# Altium PCB MB1428.PcbDoc (part 5 of 7)
Units mm, origin at the board's own origin, x right, y up, seen from the top; angles counter-clockwise.
Board outline 55.88 x 152.4 mm, 4 copper layers (Top Layer, Signal Layer 1, Signal Layer 2, Bottom Layer), stack 1.614 mm thick; 396 components, 227 nets, 1346 pads, 1469 vias.
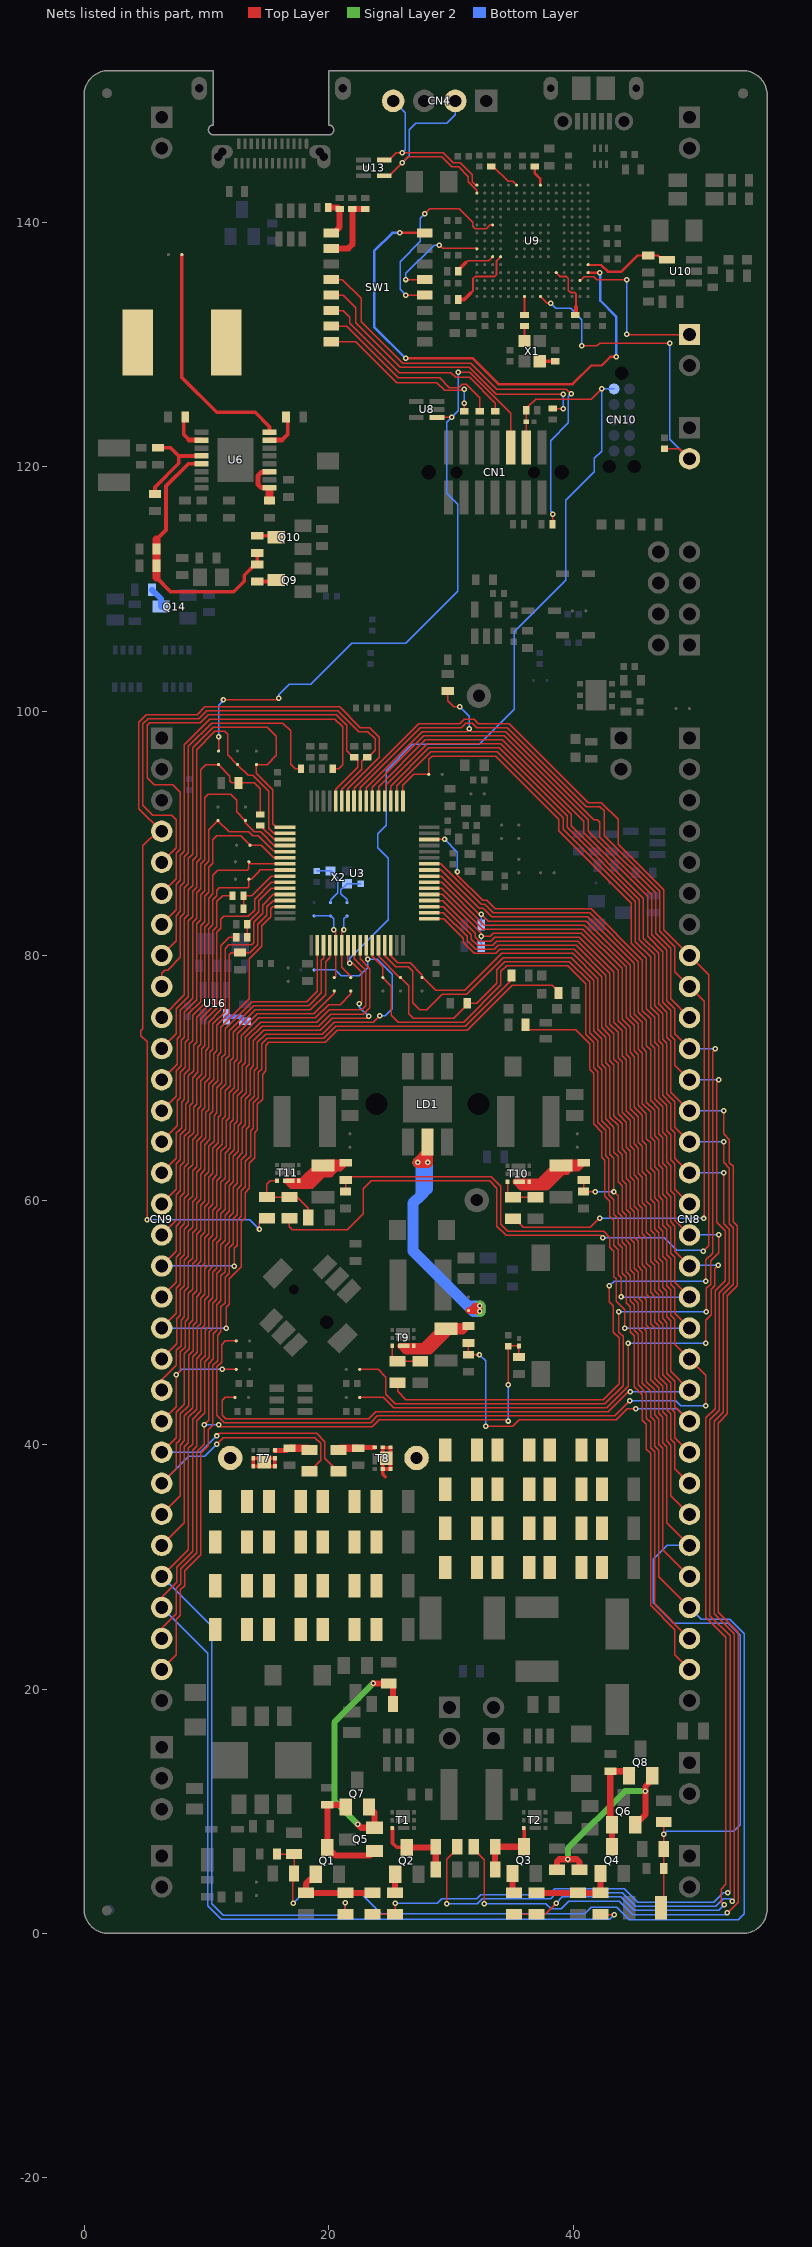
[diagram p7: the nets of this part, all layers, seen from the top]

## Via types
v1: diameter 0.45, hole 0.2, Top Layer to Bottom Layer, tented both sides, 1460 vias
v2: diameter 0.6, hole 0.2, Top Layer to Bottom Layer, tented both sides, 9 vias

## Nets (pads, with @x,y where several pads share a name; then routed paths per layer and width w, separated by ;. In a path a pad name is that pad's centre, name@x,y a point inside that pad or via, vN(x,y) a via of type N, cw(c..) or ccw(c..) an arc to the next point about the centre after c; other vN are vias at no path point) (continued)
NetQ1_1: Q1.1 R1.2 R2.2 R3.2 | length 7.3
  Top Layer w0.5: Q1.1@18.95,4.85 18.15,4.05 R1.2@18.15,3.325 R2.2@21.375,3.325 R3.2@23.6,3.325
NetQ1_3: Q1.3 Q5.1 Q7.1 R23.1 | length 9.3
  Top Layer w0.5: Q7.1@21.4,10.35 21.225,10.525 R23.1@19.9,10.525 Q1.3@19.9,7.05 20.575,6.375 23.375,6.375 Q5.1@23.75,6.75
NetQ2_1: Q2.1 R4.2 | length 1.5
  Top Layer w0.5: R4.2@25.45,3.325 Q2.1@25.45,4.85
NetQ2_3: Q2.3 R12.2 R19.2 T1.3 | length 6.8
  Top Layer w0.3: T1.3@25.238,8.625 25.238,7.387 25.575,7.05 Q2.3@26.4,7.05
  Top Layer w0.5: Q2.3@26.4,7.05 28.725,7.05 R19.2@28.775,7.1 R12.2@28.775,5.25
NetQ3_1: Q3.1 R5.1 | length 1.6
  Top Layer w0.5: Q3.1@35.05,4.9 35.05,3.45 R5.1@35.175,3.325
NetQ3_3: Q3.3 R13.2 R20.1 T2.3 | length 5.7
  Top Layer w0.3: Q3.3@36,7.1 T2.3@36,8.625
  Top Layer w0.5: R13.2@33.625,5.25 R20.1@33.625,7.1 Q3.3@36,7.1
NetQ4_1: Q4.1 R6.1 R7.2 R8.1 | length 6.8
  Top Layer w0.5: R6.1@37.025,3.325 R7.2@40.4,3.325 R8.1@42.25,3.325 Q4.1@42.25,4.9
NetQ4_3: Q4.3 Q6.1 Q8.1 R26.1 | length 7.9
  Top Layer w0.5: Q4.3@43.2,7.1 Q6.1@43.2,8.9 43.05,9.05 43.05,13.25 R26.1@43.075,13.275 44.2,13.275 Q8.1@44.575,12.9
NetQ5_2: Q5.2 Q7.2 R27.1 R28.1 | length 20.1
  Top Layer w0.5: v1(22.4,8.925) 22.675,8.65 Q5.2@23.75,8.65 23.75,9.9 Q7.2@23.3,10.35 ; v1(23.675,20.475) 23.7,20.45 R28.1@24.925,20.45 25.275,20.1 R27.1@25.275,18.775
  Signal Layer 2 w0.5: v1(22.4,8.925) 20.475,10.85 20.475,17.275 v1(23.675,20.475)
NetQ6_2: Q6.2 Q8.2 R14.2 R15.2 | length 17.1
  Top Layer w0.5: R14.2@38.675,5.2 38.675,5.875 38.875,6.075 v1(39.588,6.075) 40.3,6.075 40.525,5.85 R15.2@40.525,5.2 ; Q6.2@45.1,8.9 45.925,9.725 v1(45.925,11.65) 45.925,12.025 46.475,12.575 Q8.2@46.475,12.9
  Signal Layer 2 w0.5: v1(39.588,6.075) 39.588,6.962 44.275,11.65 v1(45.925,11.65)
NetQ9_3: Q9.3 R99.1 | length 1.6
  Top Layer w0.3: R99.1@14.175,110.6 15.6,110.6 Q9.3@15.725,110.725
NetQ10_3: Q10.3 R102.1 | length 1.6
  Top Layer w0.3: R102.1@14.175,114.35 15.6,114.35 Q10.3@15.725,114.225
NetQ14_3: Q14.3 R142.1 | length 1.7
  Bottom Layer w0.5: R142.1@5.55,109.925 6.3,109.175 Q14.3@6.3,108.55
NetR29_1: R29.1 R33.1 R41.1 R49.1 T7.1 T7.2 T7.5 T7.6 T7.8 TP1.1 | length 4.8
  Top Layer w0.3: T7.6@13.85,38.225 15.6,38.225 15.6,38.875 T7.5@13.85,38.875 T7.6@13.85,38.225
NetR29_2: R29.2 R30.1 R33.2 R34.1 R41.2 R42.1 R49.2 R50.1
NetR30_2: R30.2 R31.1 R34.2 R35.1 R42.2 R43.1 R50.2 R51.1
NetR31_2: R31.2 R32.1 R35.2 R36.1 R43.2 R44.1 R51.2 R52.1
NetR37_1: R37.1 R45.1 R53.1 R61.1 T8.1 T8.2 T8.5 T8.6 T8.8 TP2.1 | length 5.5
  Top Layer w0.3: 24.65,37.375 24.425,37.6 T8.5@24.425,38 ; T8.5@24.425,38 24.425,39.75 25.075,39.75 T8.6@25.075,38 T8.5@24.425,38
NetR37_2: R37.2 R38.1 R45.2 R46.1 R53.2 R54.1 R61.2 R62.1
NetR38_2: R38.2 R39.1 R46.2 R47.1 R54.2 R55.1 R62.2 R63.1
NetR39_2: R39.2 R40.1 R47.2 R48.1 R55.2 R56.1 R63.2 R64.1
NetR57_2: R57.2 R59.2 T7.3 | length 3
  Top Layer w0.4: T7.3@15.6,39.525 16.625,39.525 R59.2@16.8,39.7
  Top Layer w0.6: R59.2@16.8,39.7 18.3,39.7 R57.2@18.45,39.55
NetR58_2: R58.2 R60.2 T8.3 | length 3.1
  Top Layer w0.4: R60.2@22.425,39.7 22.475,39.75 T8.3@23.775,39.75
  Top Layer w0.6: R58.2@20.8,39.55 20.95,39.7 R60.2@22.425,39.7
NetR65_2: R65.2 R66.2 T9.3 | length 3.3
  Top Layer w0.12: T9.3@25.225,48.075 25.225,47.225 R65.2@25.65,46.8 R66.2@27.5,46.8
NetR68_2: R68.2 R69.1 T9.4 T9.7 | length 16.4
  Top Layer w0.5: 27.9,47.6 28.298,47.6 29.825,49.127 R68.2@29.825,49.26 ; 27.9,47.6 29.6,49.3 R68.2@29.6,49.475 ; 27.9,47.6 26.325,47.6 25.85,48.075 T9.7@26.15,48.075 T9.4@26.975,48.075 27.75,48.075 29.15,49.475 R68.2@29.6,49.475 ; R68.2@29.6,49.475 29.815,49.26 R68.2@29.825,49.26 ; R68.2@29.6,49.475 R68.2@29.825,49.7 ; R68.2@29.825,49.26 R68.2@29.825,49.7 ; R68.2@29.825,49.26 31.01,49.26 R69.1@31.45,49.7 R68.2@29.825,49.7
NetR71_2: R71.2 R74.2 R75.2 T11.3 | length 6.5
  Top Layer w0.12: T11.3@15.813,61.575 15.25,61.575 14.95,61.275 R74.2@14.95,60.25 R75.2@16.8,60.25 17.425,60.25 18.35,59.325 R71.2@18.35,58.575
NetR72_2: R72.2 R73.2 T10.3 | length 3.3
  Top Layer w0.12: T10.3@34.67,61.5 34.67,60.65 R72.2@35.095,60.225 R73.2@36.945,60.225
NetR76_2: R76.2 R78.1 T10.4 T10.7 | length 17
  Top Layer w0.5: R76.2@39.23,62.67 R76.2@39.175,62.67 ; R76.2@39.245,62.375 R76.2@39.245,62.6 ; R76.2@39.3,62.6 40.42,62.6 R78.1@40.87,63.05 39.245,63.05 R76.2@39.02,62.825 ; 37.375,61.025 37.847,61.025 39.02,62.198 ; 37.375,61.025 R76.2@39.02,62.67 ; 37.375,61.025 35.775,61.025 35.3,61.5 T10.7@35.595,61.5 T10.4@36.42,61.5 37.225,61.5 38.55,62.825 R76.2@39.02,62.825 ; 39.02,62.198 R76.2@39.02,62.67 ; 39.02,62.198 39.142,62.32 39.525,62.32 R76.2@39.245,62.6 ; R76.2@39.02,62.67 R76.2@39.175,62.67 ; R76.2@39.02,62.67 R76.2@39.02,62.825 ; R76.2@39.02,62.825 R76.2@39.175,62.67 ; R76.2@39.175,62.67 R76.2@39.245,62.6
NetR77_2: R77.2 R79.1 T11.4 T11.7 | length 15.3
  Top Layer w0.5: 18.025,61.175 18.625,61.175 19.55,62.1 ; 18.025,61.175 R77.2@19.55,62.7 ; 18.025,61.175 16.962,61.175 16.562,61.575 T11.7@16.738,61.575 T11.4@17.562,61.575 17.825,61.575 19.075,62.825 R77.2@19.55,62.825 ; 19.55,62.1 R77.2@19.55,62.7 ; 19.55,62.1 20.15,62.1 20.65,62.6 ; R77.2@19.55,62.7 R77.2@19.55,62.825 ; R77.2@19.55,62.825 19.775,62.6 20.65,62.6 ; R77.2@19.55,62.825 19.775,63.05 R79.1@21.4,63.05 20.95,62.6 20.65,62.6
NetR84_1: R84.1 R85.1 U3.59 | length 6
  Top Layer w0.12: R84.1@13.35,81.5 R85.1@13.35,82.55 13.35,82.658 14.279,83.587 14.279,84.484 15.299,85.504 U3.59@16.439,85.504
NetR86_1: R86.1 R87.1 U3.57 | length 5.1
  Top Layer w0.12: R86.1@13.05,83.85 R87.1@13.05,84.9 13.725,84.9 15.329,86.504 U3.57@16.439,86.504
NetR88_2: R88.2 U3.51 | length 2.5
  Top Layer w0.12: R88.2@14.425,90.65 14.425,90.63 15.551,89.504 U3.51@16.439,89.504
NetR105_1: R105.1 SW1.4 | length 36.2
  Top Layer w0.12: SW1.4@20.16,135.31 SW1.4@20.24,135.31 21.14,135.31 22.685,133.765 22.685,131.84 26.055,128.47 31.635,128.47 33.755,126.35 39.455,126.35 v1(39.855,125.95) ; R105.1@38.325,115.282 38.355,115.312 v1(38.355,116.125)
  Bottom Layer w0.12: v1(38.355,116.125) 38.355,116.15 38.162,116.343 38.162,122.132 39.63,123.6 39.63,125.725 v1(39.855,125.95)
NetR111_1: R111.1 SW1.8 | length 14.4
  Top Layer w0.12: SW1.8@20.205,130.23 SW1.8@20.24,130.23 22.245,130.23 25.6,126.875 28.862,126.875 29.505,126.232 30.987,126.232 v1(31.105,126.35) ; R111.1@31.1,124.532 31.1,125.195 v1(31.105,125.2)
  Bottom Layer w0.12: v1(31.105,125.2) v1(31.105,126.35)
NetR112_1: R112.1 SW1.7 | length 16
  Top Layer w0.12: SW1.7@20.2,131.5 SW1.7@20.24,131.5 21.475,131.5 25.7,127.275 29.08,127.275 29.883,126.472 30.654,126.472 30.937,126.755 31.273,126.755 32.375,125.653 R112.1@32.375,124.532
NetR113_1: R113.1 SW1.6 | length 17.5
  Top Layer w0.12: SW1.6@20.195,132.77 SW1.6@20.24,132.77 21.205,132.77 21.75,132.225 21.75,131.75 25.8,127.7 30,127.7 30.396,127.304 31.546,127.304 33.65,125.2 R113.1@33.65,124.532
NetR114_1: R114.1 SW1.5 | length 25.1
  Top Layer w0.12: SW1.5@20.235,134.04 SW1.5@20.24,134.04 21.185,134.04 22.225,133 22.225,131.775 25.871,128.129 31.521,128.129 33.725,125.925 39.02,125.925 v1(39.205,125.924) ; R114.1@38.33,124.75 v1(39.205,124.75)
  Bottom Layer w0.12: v1(39.205,124.75) v1(39.205,125.924)
NetR116_2: R116.2 X1.1 | length 1.3
  Top Layer w0.3: X1.1@37.28,128.625 R116.2@38.53,128.625
NetR117_1: R117.1 X1.3 | length 1.2
  Top Layer w0.15: X1.3@36.03,130.275 R117.1@36.03,131.5
NetR118_2: R118.2 U9.L4 | length 4.7
  Top Layer w0.15: U9.L4@38.63,135.875 38.96,135.545 39.46,135.545 39.61,135.395 39.61,134.42 39.775,134.255 40.1,134.255 40.25,134.105 40.25,133.08
  Top Layer w0.3: R118.2@40.18,132.4 40.25,132.47 40.25,133.08
NetR120_2: R120.2 U9.D6 | length 6.1
  Top Layer w0.15: 31.63,134.2 31.81,134.38 31.81,135.358 32.002,135.55 33.558,135.55 33.75,135.742 33.75,136.845 U9.D6@34.08,137.175
  Top Layer w0.3: R120.2@30.605,133.675 31.105,133.675 31.63,134.2
NetR123_2: R123.2 U9.C6 | length 3.4
  Top Layer w0.15: 31.205,136.675 31.375,136.845 33.1,136.845 U9.C6@33.43,137.175
  Top Layer w0.3: R123.2@30.605,135.975 30.605,136.075 31.205,136.675
NetR124_2: R124.2 R125.2 SW1.1 | length 3.4
  Top Layer w0.5: R124.2@19.975,141.2 20.78,141.2 R125.2@20.905,141.075 20.905,139.6 20.425,139.12 SW1.1@20.24,139.12 SW1.1@20.155,139.12
NetR126_1: R126.1 R127.1 SW1.2 | length 5.9
  Top Layer w0.5: SW1.2@20.15,137.85 SW1.2@20.24,137.85 21.63,137.85 21.955,138.175 R126.1@21.955,141.075 R127.1@23.005,141.075
NetR131_2: R131.2 U9.J15 | length 1.7
  Top Layer w0.2: R131.2@36.855,144.525 36.855,144.023 37.33,143.548 U9.J15@37.33,143.025
NetR134_1: R134.1 U16.4 | length 1.7
  Bottom Layer w0.4: U16.4@11.65,75 12.8,75 R134.1@13.175,74.625
NetSB10_2: SB10.2 SB35.2 SB36.2 U3.5 | length 6.6
  Top Layer w0.12: v1(20.414,82.129) 20.589,81.954 U3.5@20.589,80.854 20.589,78.329 SB10.2@20.464,78.204
  Bottom Layer w0.12: SB36.2@18.814,83.254 SB35.2@20.164,83.254 20.414,83.004 v1(20.414,82.129)
NetSB11_2: SB11.2 SB34.2 U3.6 | length 5.6
  Top Layer w0.12: v1(21.264,82.129) 21.264,82.154 21.089,81.979 U3.6@21.089,80.854 21.089,79.029 21.814,78.304 SB11.2@21.814,78.204
  Bottom Layer w0.12: v1(21.264,82.129) 21.264,83.004 SB34.2@21.514,83.254
NetSB32_2: SB32.2 U6.16 | length 19.3
  Top Layer w0.3: SB32.2@8,137.35 8,127.3 10.85,124.45 14,124.45 15.175,123.275 U6.16@15.175,122.825
NRST: C56.2 JP6.2 U9.J1 | length 25.9
  Top Layer w0.12: U9.J1@37.33,133.925 37.88,133.375 v1(38.18,133.375) ; v1(40.725,129.875) 41.95,129.875 42.175,130.1 v1(47.93,130.1) ; C56.2@47.475,121.475 48.7,121.475 JP6.2@49.525,120.65
  Bottom Layer w0.12: v1(38.18,133.375) 38.605,132.95 39.8,132.95 40.73,132.02 40.73,130.1 ; v1(47.93,130.1) 47.93,122.245 JP6.2@49.525,120.65
OSC_IN: C93.2 SB35.1 X2.1 | length 4.2
  Bottom Layer w0.12: C93.2@19.039,86.929 X2.1@20.164,86.929 20.169,86.929 20.769,86.329 20.769,85.159 20.164,84.554 SB35.1@20.164,84.354
OSC_IN_STLK: R117.2 U9.G1 | length 1.5
  Top Layer w0.15: R117.2@36.03,132.4 U9.G1@36.03,133.925
OSC_OUT: C92.2 SB34.1 X2.3 | length 3.1
  Bottom Layer w0.12: SB34.1@21.514,84.354 21.514,84.555 21.009,85.06 21.009,85.374 X2.3@21.514,85.879 C92.2@22.639,85.879
PA0: C18.2 C22.2 CN8.30 R78.2 SB13.2 U3.12 | length 85.5
  Top Layer w0.12: U3.12@24.089,80.854 24.089,79.929 25.814,78.204 SB13.2@25.889,78.204 26.569,77.524 26.569,75.256 26.935,74.89 30.24,74.89 31.35,76 C22.2@31.35,76.1 32.13,76.1 33.768,77.738 33.768,78.842 34.435,79.509 39.702,79.509 41.361,77.85 41.361,73.709 42.025,73.045 42.025,70.974 42.357,70.642 42.357,66.501 43.021,65.837 43.021,63.767 43.353,63.435 v1(43.353,60.678) 43.685,60.346 43.685,58.962 44.017,58.63 44.017,56.559 44.349,56.227 44.349,54.157 44.681,53.825 44.681,51.754 45.013,51.422 45.013,49.352 45.345,49.02 45.345,44.879 46.009,44.215 46.009,42.144 46.341,41.812 46.341,39.742 46.673,39.41 46.673,26.987 CN8.30@49.53,24.13 ; R78.2@40.87,61.65 C18.2@40.87,60.7 40.895,60.675 v1(41.825,60.675)
  Bottom Layer w0.12: v1(41.825,60.675) 41.828,60.678 v1(43.353,60.678)
PA1: C3.2 CN8.29 R11.2 R17.1 U3.13 | length 151.1
  Top Layer w0.12: C3.2@15.775,6.5 R17.1@17.175,6.5 R11.2@17.175,4.9 17.075,4.8 17.075,2.5 v1(17.1,2.475) ; U3.13@24.589,80.854 24.589,79.969 25.479,79.079 26.539,79.079 26.901,78.717 26.901,76.144 27.471,75.574 28.024,75.574 29.293,76.843 31.299,76.843 34.297,79.841 39.839,79.841 41.693,77.987 41.693,73.846 42.357,73.182 42.357,71.112 42.689,70.78 42.689,66.639 43.353,65.975 43.353,63.904 43.685,63.572 43.685,61.502 44.017,61.17 44.017,59.099 44.349,58.767 44.349,56.697 44.681,56.365 44.681,54.294 45.013,53.962 45.013,51.892 45.345,51.56 45.345,49.489 45.677,49.157 45.677,45.016 46.341,44.352 46.341,42.282 46.673,41.95 46.673,39.879 47.005,39.547 47.005,29.195 CN8.29@49.53,26.67
  Bottom Layer w0.12: v1(17.1,2.475) 18.1,3.475 22.475,3.475 24.325,1.625 40.95,1.625 41.475,2.15 43.575,2.15 44.603,1.122 53.522,1.122 54,1.6 54,24.538 52.831,25.707 50.493,25.707 CN8.29@49.53,26.67
PA2: CN8.28 SB14.2 U3.14 | length 73.3
  Top Layer w0.12: U3.14@25.089,80.854 25.089,79.969 25.647,79.411 26.676,79.411 27.639,78.449 SB14.2@27.639,78.304 ; SB14.2@27.639,78.204 SB14.2@27.639,78.304 ; CN8.28@49.53,29.21 47.337,31.403 47.337,39.685 47.005,40.017 47.005,42.087 46.673,42.419 46.673,44.49 46.009,45.154 46.009,49.295 45.677,49.627 45.677,51.697 45.345,52.029 45.345,54.1 45.013,54.432 45.013,56.502 44.681,56.834 44.681,58.905 44.349,59.237 44.349,61.307 44.017,61.639 44.017,63.71 43.685,64.042 43.685,66.112 43.021,66.776 43.021,70.917 42.689,71.249 42.689,73.32 42.025,73.984 42.025,78.125 39.977,80.173 34.16,80.173 31.162,77.175 28.768,77.175 SB14.2@27.639,78.304
PA3: C2.2 CN8.27 R9.2 R18.2 R22.1 U3.17 | length 110.4
  Top Layer w0.12: U3.17@28.239,83.004 29.427,83.004 31.004,81.427 31.004,81.082 31.912,80.174 33.691,80.174 34.022,80.505 40.114,80.505 42.357,78.262 42.357,74.121 43.021,73.457 43.021,71.387 43.353,71.055 43.353,66.914 44.017,66.25 44.017,64.179 44.349,63.847 44.349,61.777 44.681,61.445 44.681,59.374 45.013,59.042 45.013,56.972 45.345,56.64 45.345,54.569 45.677,54.237 45.677,52.167 46.009,51.835 46.009,49.764 46.341,49.432 46.341,45.291 47.005,44.627 47.005,42.557 47.337,42.225 47.337,40.154 47.669,39.822 47.669,33.611 CN8.27@49.53,31.75 ; R9.2@47.2,2.1 47.425,2.325 C2.2@47.425,5.325 R18.2@47.425,6.925 v1(47.425,8.125) R22.1@47.425,9.125
  Bottom Layer w0.12: v1(47.425,8.125) 47.675,8.375 53.143,8.375 53.668,8.9 53.668,24.4 52.693,25.375 48.25,25.375 46.575,27.05 46.575,30.625 47.7,31.75 CN8.27@49.53,31.75
PA4: CN8.26 U3.18 | length 64
  Top Layer w0.12: U3.18@28.239,83.504 29.397,83.504 31.336,81.565 31.336,81.22 32.05,80.506 33.554,80.506 33.885,80.837 40.252,80.837 42.689,78.4 42.689,74.259 43.353,73.595 43.353,71.524 43.685,71.192 43.685,67.051 44.349,66.387 44.349,64.317 44.681,63.985 44.681,61.914 45.013,61.582 45.013,59.512 45.345,59.18 45.345,57.109 45.677,56.777 45.677,54.707 46.009,54.375 46.009,52.304 46.341,51.972 46.341,49.902 46.673,49.57 46.673,45.429 47.337,44.765 47.337,42.694 47.669,42.362 47.669,40.292 48.001,39.96 48.001,35.819 CN8.26@49.53,34.29
PA5: CN8.25 U3.19 | length 61.9
  Top Layer w0.12: U3.19@28.239,84.004 29.366,84.004 31.668,81.702 31.668,81.357 32.187,80.838 33.416,80.838 33.747,81.169 40.389,81.169 43.021,78.537 43.021,74.396 43.685,73.732 43.685,71.662 44.017,71.33 44.017,67.189 44.681,66.525 44.681,64.454 45.013,64.122 45.013,62.052 45.345,61.72 45.345,59.649 45.677,59.317 45.677,57.247 46.009,56.915 46.009,54.844 46.341,54.512 46.341,52.442 46.673,52.11 46.673,50.039 47.005,49.707 47.005,45.566 47.669,44.902 47.669,42.832 48.001,42.5 48.001,40.429 48.333,40.097 48.333,38.027 CN8.25@49.53,36.83
PA6: CN8.24 U3.20 | length 59.9
  Top Layer w0.12: U3.20@28.239,84.504 29.336,84.504 32,81.84 32,81.495 32.325,81.17 33.279,81.17 33.61,81.501 40.527,81.501 43.353,78.675 43.353,74.534 44.017,73.87 44.017,71.799 44.349,71.467 44.349,67.326 45.013,66.662 45.013,64.592 45.345,64.26 45.345,62.189 45.677,61.857 45.677,59.787 46.009,59.455 46.009,57.384 46.341,57.052 46.341,54.982 46.673,54.65 46.673,52.579 47.005,52.247 47.005,50.177 47.337,49.845 47.337,45.704 48.001,45.04 48.001,42.969 48.333,42.637 48.333,40.567 CN8.24@49.53,39.37
PA7: C14.2 C90.2 CN8.23 R69.2 U3.21 | length 84.1
  Top Layer w0.12: U3.21@28.239,85.004 29.305,85.004 32.5,81.809 v1(32.5,81.575) 33.214,81.575 33.472,81.833 40.664,81.833 43.685,78.812 43.685,74.671 44.349,74.007 44.349,71.937 44.681,71.605 44.681,67.464 45.345,66.8 45.345,64.729 45.677,64.397 45.677,62.327 46.009,61.995 46.009,59.924 46.341,59.592 46.341,57.522 46.673,57.19 46.673,55.119 47.005,54.787 47.005,52.717 47.337,52.385 47.337,50.314 47.669,49.982 47.669,45.841 48.333,45.177 48.333,43.107 CN8.23@49.53,41.91 ; R69.2@31.45,48.3 C14.2@31.45,47.35 v1(32.35,47.35) ; v1@32.85,41.5 v1(32.875,41.5) 35.075,41.5 35.59,42.015 43.535,42.015 44.445,42.925 v1(45.125,42.925)
  Bottom Layer w0.12: v1(32.35,47.35) 32.85,46.85 v1@32.85,41.5 ; C90.2@32.5,80.75 v1(32.5,81.575) ; v1(45.125,42.925) 48.515,42.925 CN8.23@49.53,41.91
PA8: CN9.4 R74.1 U3.42 | length 80.9
  Top Layer w0.12: v1(5.15,58.4) 5.15,72.95 4.65,73.45 4.65,73.854 4.821,74.025 4.821,88.975 6.016,90.17 CN9.4@6.35,90.17 4.489,92.031 4.489,99.103 5.1,99.714 9.247,99.714 9.883,100.35 20.909,100.35 22.61,98.649 23.361,98.649 24.146,97.864 24.146,96.217 21.589,93.66 U3.42@21.589,92.654 ; v1(14.35,57.6) 14.35,58.25 14.6,58.5 R74.1@14.95,58.5
  Bottom Layer w0.12: v1(5.15,58.4) 13.55,58.4 v1(14.35,57.6)
PA9: CN9.5 R94.2 U3.43 | length 40.6
  Top Layer w0.12: CN9.5@6.35,87.63 7.547,88.827 7.547,91.128 7.175,91.5 5.625,91.5 4.821,92.304 4.821,98.965 5.238,99.382 9.384,99.382 10.02,100.018 20.771,100.018 22.472,98.317 23.224,98.317 23.814,97.727 23.814,96.785 23.627,96.598 23.623,96.598 23.254,96.229 23.039,96.229 22.722,95.912 22.722,95.263 21.089,93.63 U3.43@21.089,92.654
PA10: CN9.6 R93.2 U3.44 | length 40.8
  Top Layer w0.12: CN9.6@6.35,85.09 7.547,86.287 7.547,88.357 7.879,88.689 7.879,93.371 7.275,93.975 5.725,93.975 5.153,94.547 5.153,98.828 5.375,99.05 9.522,99.05 10.158,99.686 20.634,99.686 21.478,98.842 21.478,96.757 22.01,96.225 R93.2@22.1,96.225 22.39,95.935 22.39,95.4 20.589,93.599 U3.44@20.589,92.654
PA11: CN9.7 R91.1 | length 33.6
  Top Layer w0.12: CN9.7@6.35,82.55 7.547,83.747 7.547,85.817 7.879,86.149 7.879,88.22 8.211,88.552 8.211,97.27 10.295,99.354 20.496,99.354 21.146,98.704 21.146,95.611 20.839,95.304 R91.1@20.339,95.304
PA12: CN9.8 R90.1 | length 31.1
  Top Layer w0.12: CN9.8@6.35,80.01 7.547,81.207 7.547,83.277 7.879,83.609 7.879,85.68 8.211,86.012 8.211,88.082 8.543,88.414 8.543,97.132 10.433,99.022 16.271,99.022 16.914,98.379 16.914,95.654 17.264,95.304 R90.1@17.739,95.304
PA13: CN9.9 SB29.2 U3.49 | length 38.6
  Top Layer w0.12: CN9.9@6.35,77.47 6.35,78.563 6.6,78.813 6.846,78.813 7.879,79.846 7.879,83.14 8.211,83.472 8.211,85.542 8.543,85.874 8.543,87.945 8.875,88.277 8.875,96.995 10.57,98.69 14.985,98.69 15.725,97.95 15.725,96.375 14.975,95.625 SB29.2@14.1,95.625 14.1,94.9 15.432,93.568 15.432,90.775 15.703,90.504 U3.49@16.439,90.504
PA14: CN9.10 SB27.2 U3.50 | length 37.2
  Top Layer w0.12: CN9.10@6.35,74.93 8.211,76.791 8.211,83.002 8.543,83.334 8.543,85.4 8.875,85.732 8.875,87.807 9.207,88.139 9.207,96.857 10.708,98.358 11.5,98.358 11.75,98.108 11.75,96.425 SB27.2@12.55,95.625 13.425,94.75 13.78,94.75 15.1,93.43 15.1,90.425 15.521,90.004 U3.50@16.439,90.004
PA15: CN9.11 R88.1 R89.1 SB28.2 | length 32.3
  Top Layer w0.12: CN9.11@6.35,72.39 7.547,73.587 7.547,75.657 8.543,76.653 8.543,82.865 8.875,83.197 8.875,85.262 9.207,85.594 9.207,87.65 9.539,87.982 9.539,95.189 9.975,95.625 SB28.2@11,95.625 11,95.605 11.925,94.68 11.925,94.3 12.1,94.125 R89.1@12.625,94.125 13.936,94.125 14.425,93.636 R88.1@14.425,91.55
PB0: C19.2 C91.2 CN8.20 R79.2 U3.24 | length 91.8
  Top Layer w0.12: C19.2@21.4,60.7 R79.2@21.4,61.65 21.657,61.907 33.318,61.907 34.107,61.118 34.107,58.003 34.664,57.446 42.5,57.446 43.021,56.925 43.021,56.147 43.353,55.815 43.353,53.744 43.522,53.575 43.522,51.728 44.225,51.025 v1(44.225,49.525) ; U3.24@28.239,86.504 29.214,86.504 32.343,83.375 v1(32.5,83.375) 33.046,82.829 41.077,82.829 44.681,79.225 44.681,75.084 45.345,74.42 45.345,72.349 45.677,72.017 45.677,67.876 46.341,67.212 46.341,65.142 46.673,64.81 46.673,62.739 47.005,62.407 47.005,60.337 47.337,60.005 47.337,57.934 47.669,57.602 47.669,55.532 48.001,55.2 48.001,53.129 48.333,52.797 48.333,50.727 CN8.20@49.53,49.53
  Bottom Layer w0.12: C91.2@32.5,82.5 v1(32.5,83.375) ; v1(44.225,49.525) 44.23,49.53 CN8.20@49.53,49.53
PB1: CN8.19 R80.2 U3.25 | length 82.5
  Top Layer w0.12: U3.25@28.239,87.004 29.198,87.004 32.339,83.863 32.65,83.863 33.352,83.161 41.214,83.161 45.013,79.362 45.013,75.221 45.677,74.557 45.677,72.487 46.009,72.155 46.009,68.014 46.673,67.35 46.673,65.279 47.005,64.947 47.005,62.877 47.337,62.545 47.337,60.474 47.669,60.142 47.669,58.072 48.001,57.74 48.001,55.669 48.333,55.337 48.333,53.267 CN8.19@49.53,52.07 ; R80.2@36.125,74.35 36.125,74.15 36.35,73.925 40.206,73.925 41.361,72.77 41.361,70.699 41.693,70.367 41.693,66.226 42.357,65.562 42.357,63.492 42.593,63.256 42.593,60.312 43.021,59.884 43.021,58.687 43.353,58.355 43.353,56.284 43.685,55.952 43.685,53.882 43.927,53.64 v1(43.927,52.078)
  Bottom Layer w0.12: v1(43.927,52.078) 43.935,52.07 CN8.19@49.53,52.07
PB2: CN8.18 SB3.2 U3.26 | length 89.1
  Top Layer w0.12: SB3.2@22.55,43.85 24.48,43.85 25.319,43.011 42.75,43.011 44.5,44.761 v1(44.5,48.275) ; U3.26@28.239,87.504 29.168,87.504 32.477,84.195 32.788,84.195 33.49,83.493 41.352,83.493 45.345,79.5 45.345,75.359 46.009,74.695 46.009,72.624 46.341,72.292 46.341,68.151 47.005,67.487 47.005,65.417 47.337,65.085 47.337,63.014 47.669,62.682 47.669,60.612 48.001,60.28 48.001,58.209 48.333,57.877 48.333,55.807 CN8.18@49.53,54.61 ; v1(50.85,48.275) 50.85,50.15 51.305,50.605 51.305,52.71 51.587,52.992 51.587,54.362 v1(51.875,54.65)
  Bottom Layer w0.12: v1(44.5,48.275) v1(50.85,48.275) ; CN8.18@49.53,54.61 49.57,54.65 v1(51.875,54.65)
PB3: CN9.16 SB16.1 U3.56 | length 34.1